# KiCad board sun3_60_layout2_routing2.kicad_pcb (continued)
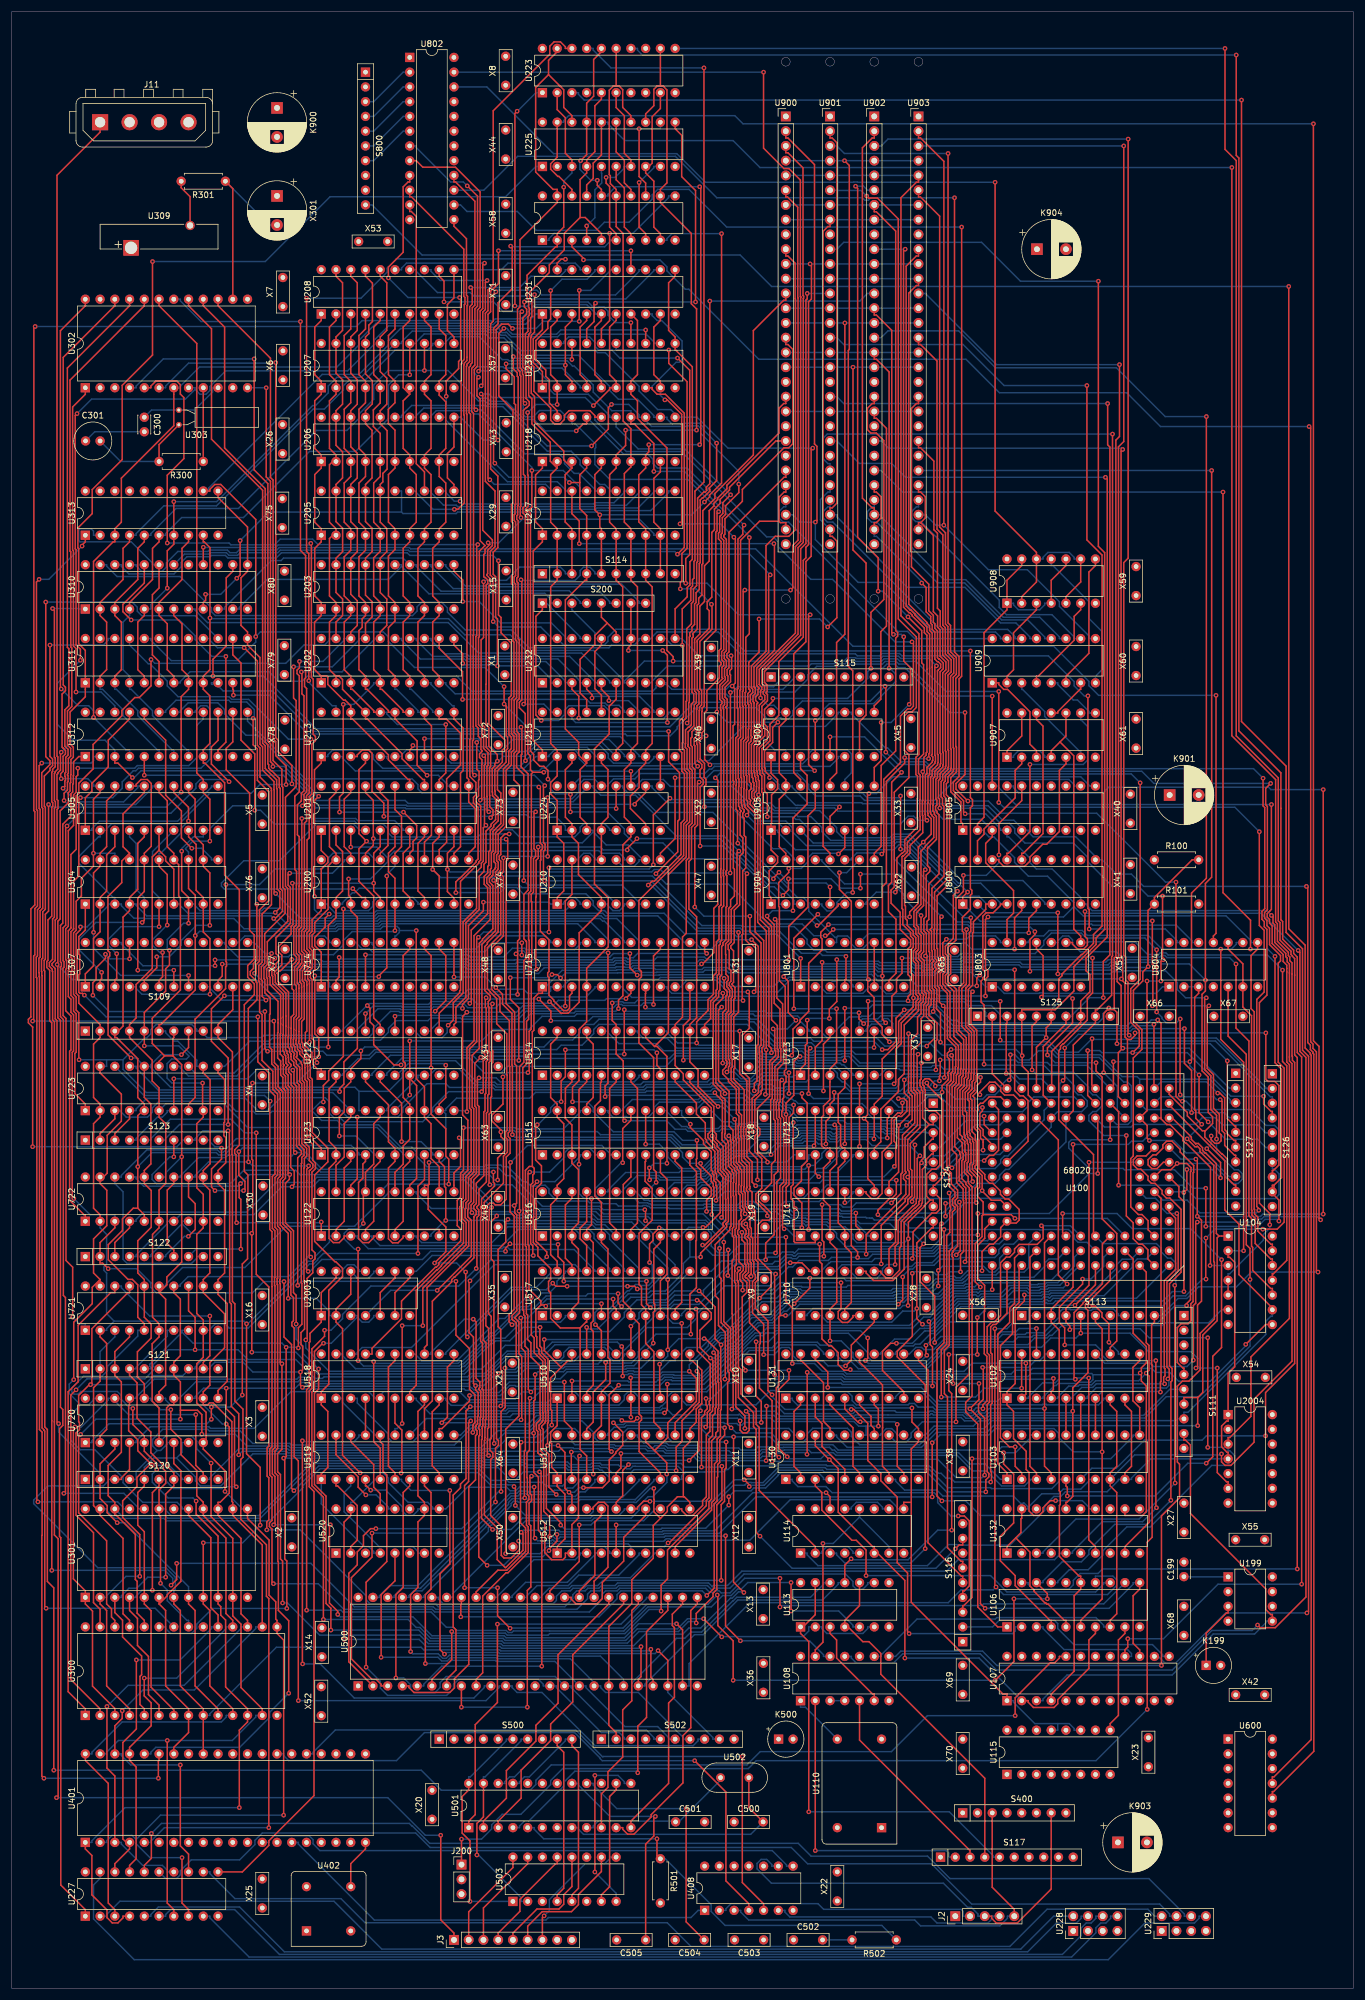
[diagram p0: board, top side]
## Routing (per net, layer and track width the routed paths; a pad name or vN(x,y) marks a point on that pad's centre or on a via; arc(x,y) is an arc through that point) (continued)
/P0: length 119.7
  Top w0.25: 156.59,252.37 156.22,252.37 U903.29 ; 156.59,252.37 157.4,253.18 157.4,256.83 156.59,257.64 156.22,257.64 U903.26 ; 156.59,252.37 158.78,250.18 158.78,237.05 159.51,236.32 159.51,234.35 159.94,233.92 159.94,229.39 159.99,229.34 160.94,228.39 160.94,227.04 160.39,226.49 160.39,212.89 160.5,212.78 160.5,210.68 160.41,210.6 160.41,210.29 159.49,209.36 159.49,208.44 159.21,208.16 159.21,204.77 159.39,204.59 159.39,203.76 159.16,203.52 159.16,202.92 159.41,202.67 159.41,202.42 159.76,202.07 159.76,191.9 158,190.14 158,184.04 157.67,183.72 157.67,182.2 158.02,181.85 158.02,178.53 158.14,178.41 158.14,177.01 158.23,176.92 158.13,176.81 158.13,175.5 158.14,175.48 158.14,172.01 158.47,171.68 158.47,170.38 158.4,170.31 158.4,169.37 158.02,168.99 158.02,167.57 159.42,166.17 159.42,163.35 159.21,163.14 v1(159.21,158.16)
  Bottom w0.25: U713.6 149.73,157.22 149.73,157.41 150.68,158.36 152.86,158.36 153.11,158.11 159.17,158.11 v1(159.21,158.16)
/P1: length 128.4
  Top w0.25: v1(156.77,241.96) 157.54,241.2 157.54,237.02 158.33,236.22 158.33,235.03 158.58,234.78 158.58,234 159.04,233.55 159.04,228.87 159.47,228.44 159.61,228.44 160.04,228.01 160.04,227.41 159.61,226.98 159.49,226.86 159.49,212.51 159.59,212.41 159.59,211.06 159.51,210.98 159.51,210.66 158.58,209.74 158.58,208.81 158.31,208.54 158.31,203.95 158.25,203.9 158.25,202.55 158.31,202.49 158.31,202.25 158.52,202.04 158.52,201.94 158.86,201.6 158.86,198.15 157.4,196.69 157.4,196.57 156.65,195.81 156.65,186.64 155.43,185.42 155.43,182.88 155.76,182.55 155.76,181.55 156.22,181.1 156.22,178.87 156.03,178.68 156.03,178.67 155.79,178.43 155.79,177.08 156.22,176.66 156.22,171.38 156.54,171.05 156.54,171.01 156.59,170.96 156.59,170.12 156.22,169.74 156.22,168.33 153.77,165.89 153.77,157.5 152.77,156.5 152.77,154.42 149.73,151.38 149.73,145.77 148.6,144.65 U712.6 ; U902.29 148.6,252.37 148.97,252.37 149.78,253.18 149.78,256.83 148.97,257.64 148.6,257.64 U902.26
  Bottom w0.25: U902.29 148.6,250.02 148.98,250.02 156.77,242.23 v1(156.77,241.96)
/P2: length 167.8
  Top w0.25: U901.29 140.99,250.02 141.35,250.02 142.16,249.21 142.16,236 v1(140.57,234.41) ; v1(130.18,133.02) 130.18,133.45 128.19,135.44 128.19,136.74 129.22,137.77 129.22,142.86 128.02,144.06 128.02,146.76 128.44,147.19 128.44,147.79 128.02,148.21 128.02,152.97 129.11,154.06 129.11,154.51 129.3,154.71 129.3,161.25 129.25,161.31 129.25,161.91 129.55,162.21 129.55,180.42 128.07,181.9 128.07,202.28 126.78,203.57 126.78,204.45 126.59,204.65 126.59,206.37 126.65,206.43 126.65,208.77 126.54,208.88 126.54,214.54 126.93,214.93 126.93,215.47 126.92,215.48 126.92,216.83 126.99,216.9 126.99,221.02 126.81,221.2 126.81,222.92 127.21,223.32 127.21,223.51 126.99,223.74 126.99,228.31 128.76,230.08 v1(128.76,235.78)
  Bottom w0.25: U901.26 140.99,257.64 140.62,257.64 139.33,256.35 139.33,252.85 U901.29 ; v1(140.57,234.41) 139.21,235.78 v1(128.76,235.78) ; v1(130.18,133.02) 130.24,133.02 130.76,132.5 133.66,132.5 134,132.17 136.53,132.17 136.54,132.16 136.62,132.16 136.86,131.92 136.91,131.97 137.26,131.97 137.26,131.97 140.48,131.97 140.73,131.72 145.5,131.72 147.48,129.74 147.48,129.54 U711.6
/P3: length 190.6
  Top w0.25: 132.19,252.61 132.19,256.76 133.06,257.64 133.37,257.64 U900.26 ; 132.19,252.61 128.84,252.61 125.57,249.34 125.57,223.6 125.45,223.48 125.45,220.64 125.57,220.52 125.57,217.4 125.56,217.39 125.56,215.48 125.18,215.1 125.18,208.32 125.29,208.21 125.29,206.99 125.23,206.93 125.23,203.54 125.42,203.35 125.42,203.01 125.69,202.75 125.69,202.74 125.62,202.67 125.62,202.62 125.5,202.5 125.5,198.56 125.97,198.09 125.97,196.16 126.01,196.12 126.01,195.52 125.41,194.92 125.41,186.58 124.49,185.65 124.49,180.08 123.89,179.48 123.89,179.11 124.37,178.64 124.37,173.22 124.09,172.95 124.09,172.86 124.61,172.34 124.61,170.49 124.39,170.28 124.39,167.9 123.94,167.44 123.94,160.18 124.12,160 124.12,158.65 123.94,158.47 123.94,156.33 125.29,154.98 125.29,150.82 125.74,150.37 125.74,148.46 125.64,148.35 125.64,146.63 125.74,146.52 125.74,143.56 125.74,142.61 126.65,141.7 126.65,137.98 126.72,137.91 126.58,137.78 126.58,137.41 126.84,137.15 126.84,134.88 127.1,134.61 127.1,134.27 127.65,133.72 127.65,133 127.2,132.55 127.2,131.08 127.43,130.86 127.43,129.51 127.37,129.45 127.65,129.16 127.65,125.32 127.85,125.12 127.85,123.15 128.11,122.9 128.11,122.17 127.63,121.69 127.63,116.3 129.55,114.38 v1(129.55,109.12) ; 132.19,252.61 132.43,252.37 133.37,252.37 U900.29 ; v1(143.65,107.18) 144.65,108.18 144.65,110.76 148.6,114.72 U710.6
  Bottom w0.25: v1(143.65,107.18) 140.64,107.18 139.78,108.04 135.49,108.04 134.63,108.9 134.63,109.63 133.92,110.35 132.59,110.35 131.36,109.12 v1(129.55,109.12)
/PD0-: length 105.1
  Top w0.25: v1(123.82,223.14) 123.82,192.09 v1(123.78,192.05) ; U201.10 76.2,196.59 75.07,195.46 v1(75.07,192.67) 75.07,188.84 76.2,187.71 U200.10
  Bottom w0.25: S115.2 132.24,225.8 132.24,225.09 131.26,224.11 125.04,224.11 124.07,223.14 v1(123.82,223.14) ; v1(75.07,192.67) 75.51,192.23 110.27,192.23 110.69,192.66 111.77,192.66 112.37,192.05 v1(123.78,192.05)
/PD1-: length 133.1
  Top w0.25: U202.9 73.66,225.93 72.53,227.05 72.53,235.25 73.66,236.37 U203.9 73.66,238.63 72.53,239.75 72.53,247.95 73.66,249.07 U205.9 73.66,251.33 74.79,252.45 74.79,259.19 73.66,260.32 U206.9 73.66,264.03 74.79,265.15 74.79,273.18 73.66,274.31 U207.9 73.66,276.73 74.79,277.85 74.79,284.59 73.66,285.72 U208.9
  Bottom w0.25: U202.9 74.79,224.8 74.79,224.52 76.4,222.91 123.03,222.91 123.52,222.41 127.06,222.41 128.31,223.66 132.85,223.66 134.78,225.58 134.78,225.8 S115.3
/POR-: length 85.6
  Top w0.25: U199.5 217.18,64.36 216.9,64.36 216.05,65.21 216.05,68.78 203.07,81.76 203.07,93.55 202.23,94.4 201.94,94.4 S111.9
  Bottom w0.25: U107.3 177.67,49.54 177.67,49.82 181.81,53.96 199.93,53.96 206.98,61.02 214.12,61.02 216.05,62.95 216.05,63.24 U199.5
/PU0: length 50.8
  Top w0.25: U108.2 v1(138.44,23.72)
  Bottom w0.25: S117.2 161.43,22.6 161.43,23.3 161.01,23.72 v1(138.44,23.72)
/PU1: length 34.8
  Top w0.25: S117.3 165.1,23.72 146.06,42.76 U108.5
/PU2: length 59.5
  Top w0.25: S117.4 167.64,36.18 149.73,54.09 149.73,57.66 147.69,59.7 146.63,59.7 143.53,62.8 ; 143.53,62.8 143.53,63.37 146.06,65.91 U113.10 ; 143.53,62.8 U113.4
/PU3: length 77.8
  Top w0.25: v1(137.32,30.4) 137.32,59.7 135.91,61.11 135.91,61.81 ; 135.91,61.81 U113.1 ; 135.91,61.81 138.44,64.35 U113.13
  Bottom w0.25: S117.5 169.05,22.6 169.05,22.88 161.53,30.4 v1(137.32,30.4)
/R.ACK-: length 527.4
  Top w0.25: v1(208.42,92.03) 208.42,90.66 209.04,90.05 210.04,90.05 214.03,94.04 214.03,101.46 220.57,108 220.57,159.23 220.12,159.68 220.12,160.36 220.12,160.36 220.12,174.84 220.12,176.38 219.73,176.76 219.73,177.4 219.49,177.64 219.49,178.2 217.6,180.09 217.6,183.13 217.29,183.44 217.29,184.48 v1(217.02,184.75) ; v1(164.27,202.24) 163.98,202.52 163.98,204.47 162.23,206.22 162.23,207.69 163.21,208.67 163.21,225.47 163.65,225.91 v1(163.65,303.27) ; v1(140.59,103.47) 140.59,106.13 138.44,108.28 138.44,109.22 ; U102.8 189.25,100.47 190.37,99.35 190.37,89.89 189.25,88.77 U103.8 189.25,86.51 190.37,85.39 190.37,64.49 189.25,63.37 U106.8
  Bottom w0.25: v1(163.65,303.27) 123.17,303.27 116.69,309.75 111.29,309.75 110.35,308.81 110.35,308.08 106.36,304.1 102.12,304.1 100.72,302.7 90.37,302.7 87.12,305.95 78.45,305.95 77.33,307.07 U802.14 ; U106.8 188.12,62.24 188.12,62.52 186.8,63.84 169.71,63.84 169.45,63.59 155.97,63.59 149.73,57.35 149.73,57.16 U108.9 ; U103.8 193.46,91.85 208.25,91.85 v1(208.42,92.03) ; U102.8 188.12,101.6 188.12,101.36 187.23,100.47 178.33,100.47 178.23,100.57 177.63,100.57 177.54,100.47 167.84,100.47 167.78,100.53 159.65,100.53 156.71,103.47 v1(140.59,103.47) ; v1(217.02,184.75) 216.2,185.57 186.14,185.57 185.29,186.42 185.29,186.7 U800.9 184.16,187.83 179.25,192.74 176.53,192.74 175.42,193.85 175.42,194.6 171.75,198.27 171.47,198.27 U805.4 170.34,199.4 170.34,199.68 167.78,202.24 v1(164.27,202.24)
/R/W-: length 288.4
  Top w0.25: 198,149.86 198,149.72 199,148.72 199.55,148.72 201.78,146.5 201.78,145.97 202.23,145.52 202.36,145.52 206.52,141.36 206.52,124.53 v1(206.45,124.46) ; 198,149.86 U100.132 ; 198,149.86 198,166.18 v1(197.43,166.75) ; v1(92.89,166.62) 92.89,168.28 v1(90.81,170.35) ; v1(153.77,168.48) 152.35,167.06 152.35,163.04 150.95,161.63 v1(149.97,161.63) ; U519.13 71.12,99.81 72.48,101.17 72.48,118.32 75.81,121.65 75.81,122.04 76.24,122.47 76.32,122.47 79.64,125.79 79.64,132.88 80.02,133.26 80.02,133.86 79.6,134.28 79.6,134.69 80.05,135.14 80.05,138.64 81.34,139.92 81.34,150.89 81.55,151.09 81.55,153.95 81.69,154.1 81.69,156.28 81.75,156.34 81.75,159.57 81.99,159.81 81.99,161.01 81.75,161.25 81.75,168.79 81.6,168.94 81.6,170.44 v1(81.74,170.58)
  Bottom w0.25: v1(197.43,166.75) 196.33,166.75 195.83,166.25 192.67,166.25 192.17,165.75 162.23,165.75 159.05,168.93 158.21,168.93 157.76,168.48 v1(153.77,168.48) ; U104.3 v1(206.45,124.46) ; v1(81.74,170.58) 81.97,170.35 v1(90.81,170.35) 91.17,170.7 98.95,170.7 100.47,172.22 100.47,172.46 U715.5 ; U519.13 69.99,95.26 69.99,94.98 69.08,94.06 65.6,94.06 64.88,94.78 64.88,95.47 59.55,100.81 59.55,101.6 U518.3 ; v1(92.89,166.62) 99.43,166.62 100.14,167.33 126.89,167.33 127.34,166.87 128.42,166.87 131.66,163.63 137.59,163.63 138.15,163.08 148.53,163.08 v1(149.97,161.63)
/READ-: length 381.8
  Top w0.25: v1(215.58,208.37) 215.58,203.61 215.87,203.32 215.87,185.91 215.39,185.43 215.39,184.08 215.79,183.67 215.79,182.8 216.24,182.35 216.24,171.02 214.95,169.73 214.95,135.19 216.74,133.41 v1(216.74,131.48) ; U104.5 U104.4 ; U215.1 91.44,213.23 89.85,214.81 89.85,247.49 91.44,249.07 U217.1 91.44,251.33 90.26,252.51 90.26,260.59 91.44,261.77 U218.1 ; U212.1 53.34,158.34 52.63,158.34 51.87,159.1 51.87,159.77 51.73,159.91 51.73,161.16 50.6,162.29 50.6,164.57 50.86,164.83 50.86,172.76 50.86,172.76 50.86,173.35 50.55,173.66 50.55,175.01 50.86,175.32 50.86,175.42 51.1,175.67 51.1,175.73 51.34,175.97 51.34,178.49 50.86,178.98 50.86,181.74 51.31,182.19 51.31,189.03 51.72,189.44 51.72,205.01 52.17,205.46 52.17,209.81 53.34,210.97 U213.1
  Bottom w0.25: U104.4 209.56,123.05 209.84,123.05 215.63,128.84 215.63,129.8 216.74,130.9 v1(216.74,131.48) ; U213.1 54.47,212.1 54.47,212.38 55.34,213.25 61.43,213.25 62.33,212.36 62.33,211.66 63.92,210.07 88.28,210.07 90.31,212.1 U215.1 92.57,212.1 92.57,212.29 93.5,213.23 97.01,213.23 97.79,212.45 97.79,211.74 99.03,210.51 113.53,210.51 113.86,210.84 117.56,210.84 118.11,211.39 120.14,211.39 126.03,217.28 140.18,217.28 142.4,219.5 142.4,219.72 U906.11 144.65,219.72 144.65,219.44 150.51,213.58 150.9,213.58 153.29,211.19 157.48,211.19 158.66,210.01 213.94,210.01 v1(215.58,208.37)
/RERUN-: length 450
  Top w0.25: U106.6 184.16,63.37 187.86,67.06 v1(187.86,92.38) 187.86,113.56 186.71,114.72 S113.6 ; v1(83.86,245.81) 83.86,236.48 84.31,236.03 84.31,233.4 86.09,231.63 86.09,222.6 85.66,222.18 85.66,215.85 86.09,215.43 86.09,213.46 85.64,213.01 85.64,210.86 84.73,209.96 84.73,200.36 83.37,199 83.37,195.61 83.09,195.33 83.09,193.98 83.37,193.7 83.37,192.95 83.27,192.85 83.27,192.76 82.92,192.41 82.92,191.69 82.78,191.55 82.31,191.08 82.31,190.48 82.74,190.05 82.9,189.89 82.9,182.44 81.12,180.66 81.12,180.5 80.56,179.95 80.56,161.87 79.34,160.65 79.34,151.74 79.62,151.46 79.62,140.53 78.7,139.61 78.7,135.7 78.25,135.25 78.25,134.32 78.12,134.19 78.12,132.68 78.74,132.06 78.74,127.83 71.57,120.66 71.57,110.8 71.12,110.35 U518.13 ; v1(81.92,72.84) 80.48,74.28 80.48,95.08 80.63,95.24 80.63,96.21 80.48,96.37 80.48,96.79 80.72,97.03 80.72,98.26 80.82,98.37 80.82,102.79 80.48,103.13 80.48,103.29 80.66,103.47 80.66,104.41 80.01,105.05 80.01,114.74 v1(79.53,115.22) ; v1(92.57,75.38) 92.57,75.64 93.94,77.01 v1(93.94,78.17) ; v1(158.59,93.95) v1(158.59,84.62)
  Bottom w0.25: v1(187.86,92.38) 182.86,92.38 180.35,94.89 180.35,95.58 179.55,96.39 169.44,96.39 168.34,95.29 159.93,95.29 v1(158.59,93.95) ; v1(93.94,78.17) 112.24,78.17 112.41,78.33 121.9,78.33 128.19,84.62 v1(158.59,84.62) ; v1(79.53,115.22) 77.97,115.22 72.25,109.5 72.25,109.22 U518.13 ; v1(83.86,245.81) 82.95,246.73 68.59,246.73 68.14,247.18 52.22,247.18 52.21,247.18 50.86,247.18 50.86,247.18 46.47,247.18 45.59,246.29 37.25,246.29 36.81,246.73 34.42,246.73 34.2,246.5 30.19,246.5 29.21,245.52 29.21,244.77 27.98,243.54 20.2,243.54 18.91,244.84 18.91,245.12 U310.22 ; v1(92.57,75.38) 91.52,74.33 86.27,74.33 84.78,72.84 v1(81.92,72.84)
/RESET-: length 380.4
  Top w0.25: v1(12.53,171.02) 12.22,171.33 11.76,171.33 11.57,171.52 11.57,174.53 11.73,174.69 11.73,177.91 11.57,178.07 11.57,181.1 12.7,182.23 U304.1 ; v1(54.91,79.82) 54.75,79.66 54.75,66.35 56.18,64.92 v1(56.18,64.39) ; v1(114.54,62.78) 115.58,61.74 U500.23 ; v1(169.38,113.59) 169.38,69.31 v1(169.58,69.11) ; v1(42.41,167.28) 42.41,159.55 44.44,157.52 44.44,154.61 45.36,153.69 45.36,140.24 44.92,139.79 44.92,130.88 45.36,130.43 45.36,122.45 45.29,122.38 45.29,121.03 45.36,120.96 45.36,93.13 44.91,92.68 44.91,88.59 45.37,88.14 45.37,80.06 v1(45.13,79.82)
  Bottom w0.25: v1(114.54,62.78) 107.99,62.78 105.57,60.37 85.19,60.37 84.84,60.72 72.39,60.72 69.14,63.97 56.6,63.97 v1(56.18,64.39) ; v1(54.91,79.82) v1(45.13,79.82) ; v1(42.41,167.28) 16.27,167.28 v1(12.53,171.02) ; S113.2 175.42,115.84 175.42,115.14 174.74,114.46 172.33,114.46 171.46,113.59 v1(169.38,113.59) ; U500.23 116.71,52.08 116.71,55.93 127.19,66.41 161.34,66.41 163.54,68.61 169.08,68.61 v1(169.58,69.11) 170.88,67.81 188.79,67.81 190.37,69.39 190.37,70.33 189.71,70.99 186.71,70.99 U106.14
/RTC-: length 351
  Top w0.25: v1(82.83,169.52) 82.68,169.37 82.68,161.6 82.89,161.39 82.89,159.44 82.68,159.23 82.68,153.55 82.52,153.39 82.52,150.79 82.24,150.51 82.24,138.5 v1(82.38,138.37) ; v1(124.07,99.75) 124.3,99.97 124.3,105.98 123.84,106.43 123.84,113.65 122.69,114.8 122.69,122.4 122.65,122.44 122.65,123.04 122.69,123.08 v1(122.69,128.49) ; v1(43.81,170.16) 43.17,170.8 43.17,173.52 43.02,173.66 43.02,175.91 43.6,176.49 43.6,177.71 43.6,181.6 47.12,185.12 47.12,189.19 46.72,189.58 46.72,206.81 46.56,206.98 46.56,209.9 45.04,211.41 45.04,214.52 44.59,214.97 44.59,259.5 43.86,260.23 v1(43.86,275.6)
  Bottom w0.25: U307.9 34.15,172.46 34.15,172.23 36.22,170.16 v1(43.81,170.16) 44.06,170.4 79.3,170.4 80.18,169.52 v1(82.83,169.52) ; S111.6 199.49,103.15 195.01,98.66 168.49,98.66 168,98.17 166.65,98.17 166.57,98.25 166.47,98.25 165.94,97.72 164.13,97.72 163.58,98.27 148.93,98.27 148.92,98.28 145.53,98.28 145.31,98.06 131.93,98.06 131.34,98.65 126.22,98.65 125.8,99.08 125.8,99.19 125.24,99.75 v1(124.07,99.75) ; v1(122.69,128.49) 122.69,129.77 119.11,133.35 101.99,133.35 101.13,134.2 90.37,134.2 86.21,138.37 v1(82.38,138.37) ; U302.12 v1(43.86,275.6)
/S8A Memory/CAS: length 58.9
  Top w0.25: U104.12 217.18,125.59 216.9,125.59 214.22,128.27 214.22,132.59 213.66,133.15 213.66,133.94 213.6,134 213.6,167.47 212.1,168.97 U804.6 212.1,176.41 209.56,178.95 U804.10
/S8A Memory/CAS0-: length 194.1
  Top w0.25: v1(169.42,310.98) 169.42,254.37 176.55,247.24 U908.12 176.55,242.16 174,239.62 U908.2 ; U908.5 181.62,239.62 184.16,242.16 U908.9
  Bottom w0.25: U802.22 81.86,327.39 93.36,315.9 114.59,315.9 119.51,310.98 145.04,310.98 145.08,311.02 145.68,311.02 145.73,310.98 v1(169.42,310.98) ; U908.12 177.67,246.12 177.67,246.4 178.52,247.24 182.19,247.24 183.04,246.4 183.04,246.12 U908.9
/S8A Memory/CE-: length 202.7
  Top w0.25: v1(162.43,308.31) 162.43,230.09 163.2,229.32 163.2,226.1 162.65,225.55 162.65,213.82 162.75,213.72 162.75,209.44 161.78,208.46 161.78,206.04 163.53,204.28 163.53,200.84 163.84,200.53 U805.1
  Bottom w0.25: v1(162.43,308.31) 148.02,308.31 147.59,307.88 146.99,307.88 146.56,308.31 121.48,308.31 114.34,315.45 87.18,315.45 81.34,309.62 U802.15
/S8A Memory/M.PD-: length 458.9
  Top w0.25: U904.15 133.37,195.45 132.24,196.57 132.24,204.77 133.37,205.89 U905.15 133.37,208.15 132.24,209.27 132.24,217.22 133.37,218.34 U906.15 ; U600.10 217.18,33.89 217.39,33.89 224.32,40.81 224.32,160.86 224.18,161 224.18,161.2 223.73,161.65 223.73,162.4 223.28,162.85 223.28,189.51 v1(223.05,189.74) ; v1(129.53,329.94) 129.53,316.85 133.05,313.33 133.91,313.33 135.88,311.36 135.88,291.29 135.96,291.21 135.92,291.17 135.92,249.16 135.02,248.25 135.02,233.36 128.79,227.13 128.79,224.52 128.79,224.49 129.23,224.05 129.23,223.65 129.02,223.45 v1(129.02,222.19)
  Bottom w0.25: 187.27,194.32 187.83,194.32 190.3,191.86 192.89,191.86 195,189.74 v1(223.05,189.74) ; 187.27,194.32 U800.11 ; 187.27,194.32 183.32,198.27 175.98,198.27 175.13,199.12 175.13,199.4 174.38,199.4 ; U906.15 132.24,219.72 132.24,220 131.31,220.93 130.28,220.93 v1(129.02,222.19) ; U905.15 134.49,207.02 134.49,206.79 137.14,204.15 146.44,204.15 146.6,203.98 161.11,203.98 161.45,203.64 168.2,203.64 170.71,201.14 172.64,201.14 174.38,199.4 ; U805.5 174.38,199.4 ; U802.23 v1(129.53,329.94)
/S8A Memory/M.PU: length 427.1
  Top w0.25: U600.11 217.18,36.43 217.46,36.43 223.87,42.83 223.87,160.67 223.73,160.81 223.73,161.02 222.83,161.92 222.83,179.62 220,182.45 v1(220,293.04)
  Bottom w0.25: v1(220,293.04) 130.91,293.04 125.5,298.45 70.71,298.45 62.09,307.07 S800.10
/S8A Memory/M.S1-: length 9.7
  Bottom w0.25: U802.2 67.45,329.94 62.37,324.86 S800.3
/S8A Memory/M.S2-: length 9.7
  Bottom w0.25: U802.3 67.45,327.39 62.37,322.31 S800.4
/S8A Memory/M.S3-: length 9.7
  Bottom w0.25: U802.4 67.45,324.86 62.37,319.78 60.96,319.78
/S8A Memory/M.S4-: length 9.7
  Bottom w0.25: U802.5 67.45,322.31 62.37,317.24 S800.6
/S8A Memory/M.S5-: length 9.7
  Bottom w0.25: 60.96,314.69 62.37,314.69 67.45,319.78 68.58,319.78
/S8A Memory/PA02/22: length 208.2
  Top w0.25: v1(143.73,177.69) 143.73,173.79 143.53,173.58 U801.4 ; v1(78.49,310.36) 80.26,308.59 80.26,289.63 79.81,289.18 79.81,279.5 79.56,279.26 79.56,279.24 79.26,278.93 79.26,271.5 79.56,271.19 79.56,233 79.52,232.96 79.52,217.21 79.56,217.17 79.56,214.99 79.4,214.82 79.4,209.25 v1(79.75,208.89) ; v1(91.84,207.09) 91.62,206.87 91.62,197.29 91.89,197.01 91.89,196.03 91.62,195.76 91.62,190.89 v1(91.81,190.71)
  Bottom w0.25: v1(91.84,207.09) 90.04,208.89 v1(79.75,208.89) ; 68.58,317.24 69.71,317.24 69.71,316.95 75.63,311.03 77.82,311.03 v1(78.49,310.36) ; v1(91.81,190.71) 110.14,190.71 118.3,182.55 125.51,182.55 126.01,182.05 132.23,182.05 136.05,178.23 139.3,178.23 139.67,177.86 143.56,177.86 v1(143.73,177.69)
/S8A Memory/PA13: length 162.5
  Top w0.25: v1(88.44,272.91) 88.17,273.18 88.17,277.8 88.01,277.96 88.01,278.55 87.95,278.61 87.95,278.67 87.6,279.01 87.6,288.42 v1(87.9,288.72) ; v1(121.8,254.27) 121.52,253.99 121.52,250.95 121.31,250.74 121.31,233.81 119.31,231.81 119.31,220.8 118.95,220.44 118.95,219.88 118.9,219.83 118.9,216.82 118.44,216.37 118.44,215.41 118.03,214.99 118.03,214.25 118.16,214.12 118.16,211.4 118.4,211.16 118.48,211.16 118.91,210.73 118.91,210.13 118.59,209.81 118.59,208.57 119.16,208 119.16,207.4 118.61,206.85 v1(118.61,196.69) ; U208.12 73.66,294.79 74.48,293.97 v1(74.48,290.38)
  Bottom w0.25: v1(118.61,196.69) 122.55,196.69 124.59,194.64 124.99,194.64 132.24,187.4 132.24,186.7 U904.2 ; v1(74.48,290.38) 83.02,290.38 84.69,288.72 v1(87.9,288.72) ; v1(121.8,254.27) 121.8,254.5 116.48,259.82 103.03,259.82 100.47,262.38 100.47,265.13 100.62,265.28 100.62,265.88 97.1,269.39 96.52,269.39 U218.18 95.39,270.52 95.39,270.8 94.52,271.67 90.92,271.67 89.85,270.59 88.51,270.59 88.14,270.97 88.14,272.6 v1(88.44,272.91)
/S8A Memory/PA14: length 169.5
  Top w0.25: v1(126.17,251.95) 125.96,251.73 125.96,250.36 125.12,249.53 125.12,223.79 125,223.67 125,220.45 125.12,220.33 125.12,217.58 125.11,217.58 125.11,215.67 124.73,215.28 124.73,208.13 124.84,208.02 124.84,207.18 124.78,207.12 124.78,203.02 125.05,202.75 125.05,202.68 125.05,197.22 v1(125.1,197.17) ; v1(80.89,275.92) 81.16,276.2 81.16,288.61 81.61,289.07 81.61,293.76 v1(81.91,294.07) ; v1(131.23,191.04) 131.23,191.21 v1(132.19,192.17) ; U218.17 99.06,269.39 98.49,269.39 v1(97.27,268.17) ; U904.5 v1(140.99,189.64)
  Bottom w0.25: v1(126.17,251.95) 116.35,261.77 111.26,261.77 110.49,262.54 110.49,263.29 109.61,264.17 105.41,264.17 U218.17 ; v1(80.89,275.92) 80.16,275.2 80.16,274.22 80.58,273.8 81.93,273.8 82.47,273.25 85.2,273.25 88.32,270.14 89.95,270.14 91.93,268.17 v1(97.27,268.17) ; v1(140.99,189.64) 140.3,190.33 133.52,190.33 133.09,190.75 133.09,191.27 v1(132.19,192.17) ; U208.13 72.25,295.92 72.25,295.64 73.82,294.07 v1(81.91,294.07) ; v1(131.23,191.04) v1(125.1,197.17)
/S8A Memory/PA15: length 176.8
  Top w0.25: v1(90.07,291.63) 90.07,285.16 89.53,284.62 89.53,284.31 89.41,284.19 89.41,279.76 89.97,279.19 89.97,274.99 92.85,272.11 92.85,270.03 93.54,269.34 94.43,269.34 95.21,270.12 95.21,270.83 96.03,271.65 99.62,271.65 100.47,270.8 100.47,270.52 U218.16 ; v1(155.1,231.85) 155.35,231.6 155.35,220.76 154.9,220.31 154.35,220.31 153.11,219.07 153.11,211.04 150.24,208.17 150.24,195.66 v1(149.89,195.31)
  Bottom w0.25: U218.16 100.47,270.52 100.47,270.03 105.89,264.62 115.36,264.62 130.06,249.92 131.19,249.92 132.04,249.07 132.04,248.25 137.69,242.6 141.41,242.6 152.17,231.85 v1(155.1,231.85) ; v1(90.07,291.63) 89.84,291.4 79.61,291.4 79.01,291.99 73.35,291.99 69.71,295.64 69.71,295.92 U208.14 ; U904.11 144.65,194.32 144.65,194.56 145.59,195.5 149.71,195.5 v1(149.89,195.31)
/S8A Memory/PA16: length 167
  Top w0.25: v1(80.43,278.44) 80.71,278.72 80.71,288.8 81.16,289.25 81.16,296.75 v1(81.47,297.05) ; v1(119.34,203.45) 119.29,203.49 119.29,206.9 119.61,207.21 119.61,208.19 119.29,208.51 119.29,209.88 119.36,209.95 119.36,210.92 118.61,211.67 118.61,214.31 118.48,214.44 118.48,214.81 118.9,215.22 118.9,216.18 119.35,216.63 119.35,219.64 119.76,220.05 119.76,223.44 121.9,225.58 121.9,227.63 122.22,227.95 122.22,228.24 121.86,228.6 121.86,230.33 122.22,230.69 122.22,249.12 121.77,249.57 121.77,250.56 121.97,250.77 121.97,253.42 122.1,253.54 122.52,253.97 122.52,255.83 v1(123.86,257.16)
  Bottom w0.25: U208.15 67.17,295.92 67.17,296.2 68.02,297.05 v1(81.47,297.05) ; U904.14 134.78,194.32 134.78,194.6 133.15,196.23 131.15,196.23 123.93,203.45 v1(119.34,203.45) ; v1(80.43,278.44) 80.5,278.51 90.64,278.51 92.57,276.59 92.57,275.41 93.51,274.47 99.34,274.47 103.01,270.8 103.01,270.52 U218.15 104.14,268.86 107.93,265.07 115.95,265.07 v1(123.86,257.16)
/S8A Memory/PA17: length 243.5
  Top w0.25: v1(126.68,202.01) 126.92,202.25 126.92,202.79 126.33,203.39 126.33,203.73 126.19,203.86 126.19,204.4 126.14,204.46 126.14,206.56 126.19,206.62 126.19,208.58 126.08,208.69 126.08,214.72 126.47,215.11 126.47,215.29 126.47,215.29 126.47,217.02 126.47,217.02 126.47,220.9 126.36,221.01 126.36,223.11 126.47,223.22 126.47,232.63 127.08,233.23 v1(127.08,249.81) ; v1(110.63,261.19) 110.63,266 107.24,269.39 106.68,269.39 U218.14 ; U313.4 20.32,249.07 19.19,247.95 19.19,242.58 15.24,238.63 U310.2 15.24,236.37 16.37,235.25 16.37,227.05 15.24,225.93 U311.2
  Bottom w0.25: U218.14 106.68,271.65 103.39,271.65 100.19,274.85 100.19,276.07 96.92,279.33 96.62,279.33 95.73,280.22 85.69,280.22 85.48,280.44 84.52,280.44 80.58,284.38 75.66,284.38 74.79,283.5 74.79,283.22 U207.12 72.53,283.22 72.53,282.94 71.69,282.09 66.06,282.09 60.87,276.9 58.12,276.9 57.15,275.93 57.15,275.2 53.87,271.92 51.96,271.92 35.29,255.26 26.23,255.26 21.45,250.48 21.45,250.2 U313.4 ; v1(110.63,261.19) 115.9,261.19 127.08,250.01 v1(127.08,249.81) ; U312.6 25.4,213.23 25.12,213.23 19.19,219.15 19.19,220.14 15.66,223.67 15.24,223.67 U311.2 ; v1(126.68,202.01) 128.14,200.54 132.22,200.54 U905.2
/S8A Memory/PA18: length 268.3
  Top w0.25: U313.5 22.86,249.07 21.73,247.95 21.73,242.58 17.78,238.63 U310.3 17.78,236.37 18.91,235.25 18.91,227.05 17.78,225.93 U311.3 ; v1(103.34,272.73) 102.8,272.19 102.8,268.48 v1(99.89,265.58) ; v1(125.27,259) 125.27,257.55 122.98,255.25 122.98,253.78 122.43,253.23 122.43,250.58 122.22,250.37 122.22,249.76 122.67,249.31 122.67,230.5 122.31,230.14 122.31,228.79 122.67,228.43 122.67,227.76 122.35,227.44 122.35,225.72 122.49,225.57 122.49,225.53 121.54,224.58 121.54,219.83 v1(121.49,219.77) ; U207.13 v1(71.12,278.56) ; v1(132,218.01) 131.09,217.1 131.09,214.52 129.7,213.13 129.7,210.19 129.81,210.08 129.81,209.56 130.56,208.81 v1(130.56,208.47) ; U905.5 140.99,201.79 v1(142.62,203.42)
  Bottom w0.25: U311.3 17.78,223.67 18.06,223.67 21.73,220 21.73,219.15 27.66,213.23 27.94,213.23 U312.7 ; v1(142.62,203.42) 142.34,203.7 135.45,203.7 135.44,203.7 135.05,203.7 132.17,206.58 132.17,207.29 130.98,208.47 v1(130.56,208.47) ; U218.13 108.66,270.52 ; 108.66,270.52 110.24,268.94 116.27,268.94 116.36,269.03 118.29,269.03 118.72,268.6 118.72,267.74 125.27,261.18 v1(125.27,259) ; 108.66,270.52 108.09,270.52 108.09,270.94 106.31,272.73 v1(103.34,272.73) ; v1(99.89,265.58) 92.24,265.58 85.02,272.8 82.07,272.8 81.53,273.34 80.4,273.34 75.18,278.56 v1(71.12,278.56) 64.87,278.56 62.37,276.07 62.37,273.6 59.83,271.06 59.83,270.33 57.74,268.24 52.5,268.24 39.07,254.81 28.31,254.81 23.99,250.48 23.99,250.2 U313.5 ; v1(121.49,219.77) 123.25,218.01 v1(132,218.01)
